# Allegro board P2597_B04_Allegro_layout.brd (continued)
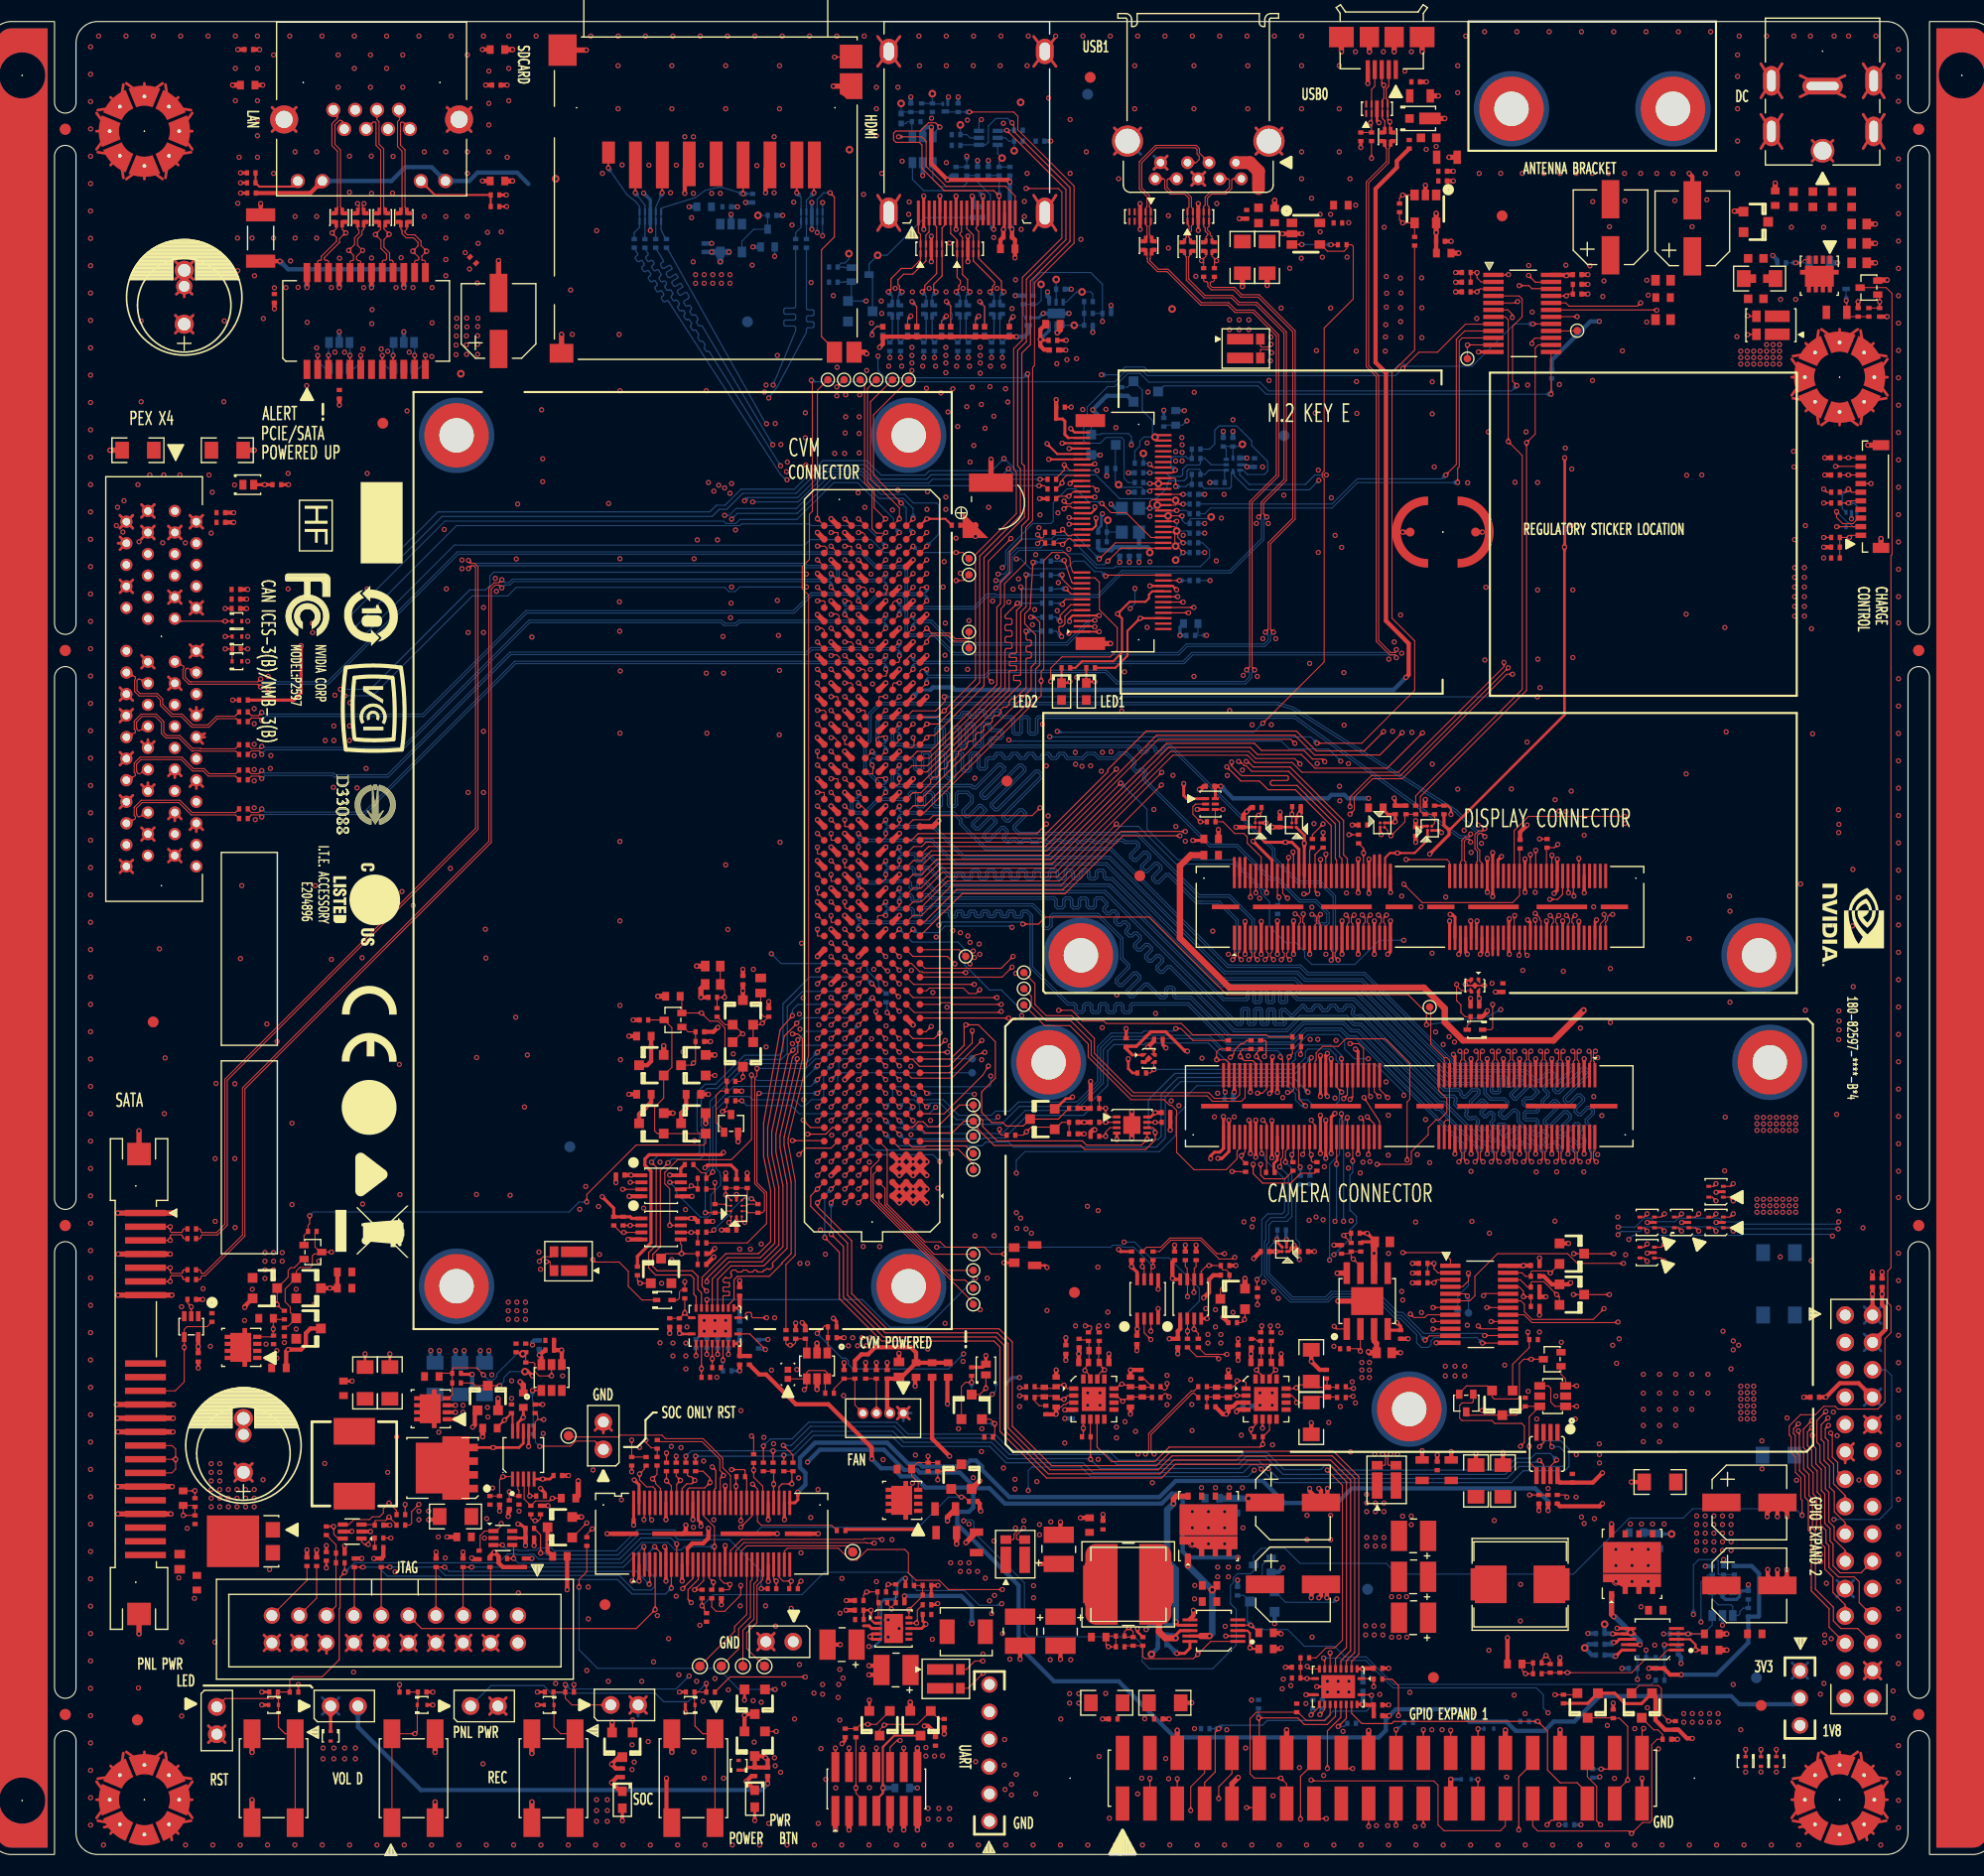
[diagram p0: board, top side]
## Footprints (pads in the part's own frame, mm; a bottom-side part is the same pattern mirrored in y, then rotated) (continued)
CON_MISC_004_TH_ST_M_P013_WTB
  round 1.04 hole 0.64: 1(0,0) 2(-1.25,0) 3(-2.5,0) 4(-3.75,0)
CON_MISC_010_SMD_RA_F_P008_WTB
  rect 0.5x1 smd: 1(-3.6,1.15) 2(-2.8,1.15) 3(-2,1.15) 4(-1.2,1.15) 5(-0.4,1.15) 6(0.4,1.15) 7(1.2,1.15) 8(2,1.15) 9(2.8,1.15) 10(3.6,1.15)
  rect 0.94x1.55 smd: 11(-4.77,-0.725) 12(4.77,-0.725)
CON_MJ08_012_TH_RA_2LED
  round 0.13 hole 3.25 unplated: (-9.906,-2.54) (2.794,-2.54)
  round 1.32 hole 0.89: 1(0,0) 2(-1.016,1.778) 3(-2.032,0) 4(-3.048,1.778) 5(-4.064,0) 6(-5.08,1.778) 7(-6.096,0) 8(-7.112,1.778) 9(3.302,6.604) 10(1.016,6.604) 11(-8.128,6.604) 12(-10.414,6.604)
  round 2.62 hole 1.6: 13(4.572,0.889) 14(-11.684,0.889)
CON_PEX_064_SMT_ST
  round 0.13 hole 2.36 unplated: (11.65,-1.25) (34.8,-1.25)
  round 1.14 hole 0.71: A1(0,0) A2(1,2) A3(2,0) A4(3,2) A5(4,0) A6(5,2) A7(6,0) A8(7,2) A9(8,0) A10(9,2) A11(10,0) A12(13,2) A13(14,0) A14(15,2) A15(16,0) A16(17,2) A17(18,0) A18(19,2) A19(20,0) A20(21,2) A21(22,0) A22(23,2) A23(24,0) A24(25,2) A25(26,0) A26(27,2) A27(28,0) A28(29,2) A29(30,0) A30(31,2) A31(32,0) A32(33,2) B1(0,-2.5) B2(1,-4.5) B3(2,-2.5) B4(3,-4.5) B5(4,-2.5) B6(5,-4.5) B7(6,-2.5) B8(7,-4.5) B9(8,-2.5) B10(9,-4.5) B11(10,-2.5) B12(13,-4.5) B13(14,-2.5) B14(15,-4.5) B15(16,-2.5) B16(17,-4.5) B17(18,-2.5) B18(19,-4.5) B19(20,-2.5) B20(21,-4.5) B21(22,-2.5) B22(23,-4.5) B23(24,-2.5) B24(25,-4.5) B25(26,-2.5) B26(27,-4.5) B27(28,-2.5) B28(29,-4.5) B29(30,-2.5) B30(31,-4.5) B31(32,-2.5) B32(33,-4.5)
CON_QSH_060_SMT_ST_P005
  round 0.13 hole 1.09 unplated: (-10.065,2.67) (10.065,2.67)
  rect 0.28x2.27 smd: 1(-7.25,-2.865) 2(-7.25,2.865) 3(-6.75,-2.865) 4(-6.75,2.865) 5(-6.25,-2.865) 6(-6.25,2.865) 7(-5.75,-2.865) 8(-5.75,2.865) 9(-5.25,-2.865) 10(-5.25,2.865) 11(-4.75,-2.865) 12(-4.75,2.865) 13(-4.25,-2.865) 14(-4.25,2.865) 15(-3.75,-2.865) 16(-3.75,2.865) 17(-3.25,-2.865) 18(-3.25,2.865) 19(-2.75,-2.865) 20(-2.75,2.865) 21(-2.25,-2.865) 22(-2.25,2.865) 23(-1.75,-2.865) 24(-1.75,2.865) 25(-1.25,-2.865) 26(-1.25,2.865) 27(-0.75,-2.865) 28(-0.75,2.865) 29(-0.25,-2.865) 30(-0.25,2.865) 31(0.25,-2.865) 32(0.25,2.865) 33(0.75,-2.865) 34(0.75,2.865) 35(1.25,-2.865) 36(1.25,2.865) 37(1.75,-2.865) 38(1.75,2.865) 39(2.25,-2.865) 40(2.25,2.865) 41(2.75,-2.865) 42(2.75,2.865) 43(3.25,-2.865) 44(3.25,2.865) 45(3.75,-2.865) 46(3.75,2.865) 47(4.25,-2.865) 48(4.25,2.865) 49(4.75,-2.865) 50(4.75,2.865) 51(5.25,-2.865) 52(5.25,2.865) 53(5.75,-2.865) 54(5.75,2.865) 55(6.25,-2.865) 56(6.25,2.865) 57(6.75,-2.865) 58(6.75,2.865) 59(7.25,-2.865) 60(7.25,2.865)
  rect 2.54x0.43 smd: 61(-8.065,0) 64(8.065,0)
  rect 4.7x0.43 smd: 62(-3.175,0) 63(3.175,0)
CON_QSH_120_SMT_ST_P005
  round 0.13 hole 1.09 unplated: (-20.065,2.671) (20.065,2.67)
  rect 0.28x2.27 smd: 1(-17.25,-2.87) 2(-17.25,2.87) 3(-16.75,-2.87) 4(-16.75,2.87) 5(-16.25,-2.87) 6(-16.25,2.87) 7(-15.75,-2.87) 8(-15.75,2.87) 9(-15.25,-2.87) 10(-15.25,2.87) 11(-14.75,-2.87) 12(-14.75,2.87) 13(-14.25,-2.87) 14(-14.25,2.87) 15(-13.75,-2.87) 16(-13.75,2.87) 17(-13.25,-2.87) 18(-13.25,2.87) 19(-12.75,-2.87) 20(-12.75,2.87) 21(-12.25,-2.87) 22(-12.25,2.87) 23(-11.75,-2.87) 24(-11.75,2.87) 25(-11.25,-2.87) 26(-11.25,2.87) 27(-10.75,-2.87) 28(-10.75,2.87) 29(-10.25,-2.87) 30(-10.25,2.87) 31(-9.75,-2.87) 32(-9.75,2.87) 33(-9.25,-2.87) 34(-9.25,2.87) 35(-8.75,-2.87) 36(-8.75,2.87) 37(-8.25,-2.87) 38(-8.25,2.87) 39(-7.75,-2.87) 40(-7.75,2.87) 41(-7.25,-2.87) 42(-7.25,2.87) 43(-6.75,-2.87) 44(-6.75,2.87) 45(-6.25,-2.87) 46(-6.25,2.87) 47(-5.75,-2.87) 48(-5.75,2.87) 49(-5.25,-2.87) 50(-5.25,2.87) 51(-4.75,-2.87) 52(-4.75,2.87) 53(-4.25,-2.87) 54(-4.25,2.87) 55(-3.75,-2.87) 56(-3.75,2.87) 57(-3.25,-2.87) 58(-3.25,2.87) 59(-2.75,-2.87) 60(-2.75,2.87) 61(2.75,-2.87) 62(2.75,2.87) 63(3.25,-2.87) 64(3.25,2.87) 65(3.75,-2.87) 66(3.75,2.87) 67(4.25,-2.87) 68(4.25,2.87) 69(4.75,-2.87) 70(4.75,2.87) 71(5.25,-2.87) 72(5.25,2.87) 73(5.75,-2.87) 74(5.75,2.87) 75(6.25,-2.87) 76(6.25,2.87) 77(6.75,-2.87) 78(6.75,2.87) 79(7.25,-2.87) 80(7.25,2.87) 81(7.75,-2.87) 82(7.75,2.87) 83(8.25,-2.87) 84(8.25,2.87) 85(8.75,-2.87) 86(8.75,2.87) 87(9.25,-2.87) 88(9.25,2.87) 89(9.75,-2.87) 90(9.75,2.87) 91(10.25,-2.87) 92(10.25,2.87) 93(10.75,-2.87) 94(10.75,2.87) 95(11.25,-2.87) 96(11.25,2.87) 97(11.75,-2.87) 98(11.75,2.87) 99(12.25,-2.87) 100(12.25,2.87) 101(12.75,-2.87) 102(12.75,2.87) 103(13.25,-2.87) 104(13.25,2.87) 105(13.75,-2.87) 106(13.75,2.87) 107(14.25,-2.87) 108(14.25,2.87) 109(14.75,-2.87) 110(14.75,2.87) 111(15.25,-2.87) 112(15.25,2.87) 113(15.75,-2.87) 114(15.75,2.87) 115(16.25,-2.87) 116(16.25,2.87) 117(16.75,-2.87) 118(16.75,2.87) 119(17.25,-2.87) 120(17.25,2.87)
  rect 2.54x0.43 smd: 121(-18.065,0) 124(-1.935,0) 125(1.935,0) 128(18.065,0)
  rect 4.7x0.43 smd: 122(-13.175,0) 123(-6.825,0) 126(6.825,0) 127(13.175,0)
CON_SATA_022_SMT_RA_F_P013
  round 0.13 hole 2.1 unplated: (-18.4,-0.3) (18.4,-0.3)
  rect 0.6x3.8 smd: 1(-15.875,0.6) 2(-14.605,0.6) 3(-13.335,0.6) 4(-12.065,0.6) 5(-10.795,0.6) 6(-9.525,0.6) 7(-8.255,0.6) 8(-1.905,0.6) 9(-0.635,0.6) 10(0.635,0.6) 11(1.905,0.6) 12(3.175,0.6) 13(4.445,0.6) 14(5.715,0.6) 15(6.985,0.6) 16(8.255,0.6) 17(9.525,0.6) 18(10.795,0.6) 19(12.065,0.6) 20(13.335,0.6) 21(14.605,0.6) 22(15.875,0.6)
  rect 2.1x2.2 smd: 23(-21.35,0) 24(21.35,0)
CON_SD_012_SMD_RA
  round 0.13 hole 1.4 unplated: (0,24) (0,0)
  rect 4.35x1.2 smd: 1(-5.315,18.535) 2(-5.315,16.035) 5(-5.315,8.535) 6(-5.315,6.035) 7(-5.315,3.535) 8(-5.315,1.91)
  rect 4.15x1.2 smd: 3(-5.215,13.535) 4(-5.215,11.035)
  rect 2.05x1.2 smd: 9(-4.165,21.035)
  rect 1.96x1.42 smd: 10(-22.7,0.05) 11(-22.7,-1.775)
  rect 2.21x2.11 smd: 12(4.75,-1.5)
  custom 2.412x2.108 smd: 13(2,-1.5)
  rect 2.92x2.62 smd: 14(5.35,25.3)
  rect 1.75x2.2 smd: 15(-22.8,25.4)
CON_TSM_002X020_SMD_ST_M_P025
  rect 1.27x3.18 smd: 1(-24.13,-2.35) 2(-24.13,2.35) 3(-21.59,-2.35) 4(-21.59,2.35) 5(-19.05,-2.35) 6(-19.05,2.35) 7(-16.51,-2.35) 8(-16.51,2.35) 9(-13.97,-2.35) 10(-13.97,2.35) 11(-11.43,-2.35) 12(-11.43,2.35) 13(-8.89,-2.35) 14(-8.89,2.35) 15(-6.35,-2.35) 16(-6.35,2.35) 17(-3.81,-2.35) 18(-3.81,2.35) 19(-1.27,-2.35) 20(-1.27,2.35) 21(1.27,-2.35) 22(1.27,2.35) 23(3.81,-2.35) 24(3.81,2.35) 25(6.35,-2.35) 26(6.35,2.35) 27(8.89,-2.35) 28(8.89,2.35) 29(11.43,-2.35) 30(11.43,2.35) 31(13.97,-2.35) 32(13.97,2.35) 33(16.51,-2.35) 34(16.51,2.35) 35(19.05,-2.35) 36(19.05,2.35) 37(21.59,-2.35) 38(21.59,2.35) 39(24.13,-2.35) 40(24.13,2.35)
CON_USB_005_SMD_RA_F_074X056
  rect 0.4x1.75 smd: 1(-1.3,2.715) 2(-0.65,2.715) 3(0,2.715) 4(0.65,2.715) 5(1.3,2.715)
  rect 2.3x1.9 smd: 6(-3.75,-0.31) 9(3.75,-0.31)
  rect 1.8x1.9 smd: 7(-1.15,-0.31) 8(1.15,-0.31)
CON_USB_009_TH_RA_138X165
  round 1.2 hole 0.7: 1(0,0) 2(2.5,0) 3(4.5,0) 4(7,0) 5(7.5,1.5) 6(5.5,1.5) 7(3.5,1.5) 8(1.5,1.5) 9(-0.5,1.5)
  round 2.9 hole 2.3: 10(-3.07,-2) 11(10.07,-2)
DFET_003_SMD_010X006_B
  rect 0.4x0.25 smd: 1(0.35,-0.227) 2(0.35,0.227)
  rect 0.4x0.7 smd: 3(-0.35,0)
DFET_SMD_032X033
  rect 0.4x0.775 smd: 1(-0.975,-1.487) 2(-0.325,-1.487) 3(0.325,-1.487) 4(0.975,-1.487)
  custom 3.6x2.474 smd: 5(0,0.313)
DFET_SMD_056X052_VIAS
  rect 0.5x0.6 smd: 1(-1.905,-2.824)
  custom 5.4x1.874 smd: 2(0,-1.862)
  rect 0.5x0.675 smd: 3(1.905,2.788) 4(0.635,2.788) 5(-0.635,2.788) 6(-1.905,2.788)
  rect 5.4x2.89 smd: 7(0,0.595)
DFN04_P065_010X010_T005X005
  custom 0.35x0.55 smd: 1(-0.325,-0.475) 2(0.325,-0.475) 3(0.325,0.475) 4(-0.325,0.475)
  rect 0.48x0.48 smd rot 45: 5(0,0)
DFN06_P050_015X010_C
  rect 0.28x0.67 smd: 1(-0.5,-0.449) 2(0,-0.449) 3(0.5,-0.449) 4(0.5,0.449) 5(0,0.449) 6(-0.5,0.449)
DFN06_P065_020X020_T016X010_C
  rect 0.3x0.65 smd: 1(-0.65,-1.05) 2(0,-1.05) 3(0.65,-1.05) 4(0.65,1.05) 5(0,1.05) 6(-0.65,1.05)
  rect 1.6x0.9 smd: 7(0,0)
DFN08_P050_030X020_T016X016
  rect 0.28x0.71 smd: 1(-0.75,-1.406) 2(-0.25,-1.406) 3(0.25,-1.406) 4(0.75,-1.406) 5(0.75,1.406) 6(0.25,1.406) 7(-0.25,1.406) 8(-0.75,1.406)
  rect 1.65x1.6 smd: 9(0,0)
DFN10_P050_030X030_T027X018_VIAS
  rect 0.28x0.65 smd: 1(-1,-1.425) 2(-0.5,-1.425) 3(0,-1.425) 4(0.5,-1.425) 5(1,-1.425) 6(1,1.425) 7(0.5,1.425) 8(0,1.425) 9(-0.5,1.425) 10(-1,1.425)
  rect 2.7x1.75 smd: 11(0,0)
DIODE_SMD_010X060
  rect 0.56x0.61 smd: 1(-0.425,0) 2(0.425,0)
DIODE_SMD_025X013
  rect 0.8x0.8 smd: 1(0.975,0)
  rect 2x1.1 smd: 2(-0.925,0)
DIODE_SMD_SOD523_B
  rect 0.69x0.41 smd: 1(-0.717,0) 2(0.717,0)
DIODE_SMD_SOD923
  rect 0.3x0.41 smd: 1(-0.45,0) 2(0.45,0)
DIODE_SMD_TO277A
  rect 1.45x1.34 smd: 1(1.065,-2.73) 2(-1.065,-2.73)
  rect 4.8x4.85 smd: 3(0,0.975)
IND_NONRKO_SMD_012X010
  rect 0.35x0.68 smd: 1(-0.275,-0.589) 2(0.275,-0.589) 3(0.275,0.589) 4(-0.275,0.589)
IND_NONRKO_SMD_012X010_B
  rect 0.5x0.3 smd: 1(0.525,0.275) 2(-0.525,0.275) 3(-0.525,-0.275) 4(0.525,-0.275)
IND_NONRKO_SMD_044X041
  rect 1.4x2.29 smd: 1(-1.778,0) 2(1.778,0)
IND_NONRKO_SMD_065X069
  rect 2.59x3.94 smd: 1(-2.769,0) 2(2.769,0)
IND_NONRKO_SMD_073X066
  rect 2.95x3.5 smd: 1(-2.725,0) 2(2.725,0)
IND_NONRKO_SMD_076X076
  rect 2.49x3.84 smd: 1(-3.01,0) 2(3.01,0)
IND_NONRKO_SMD_078X072
  custom 7.5x3 smd: 1(0,-2.5) 2(0,2.5)
IND_NONRKO_SMD_088X084
  rect 2.4x3 smd: 1(-3.4,0) 2(3.4,0)
IND_SMD_0402
  rect 0.54x0.5 smd: 1(-0.46,0) 2(0.46,0)
IND_SMD_0603
  rect 0.79x0.81 smd: 1(-0.713,0) 2(0.713,0)
LED_SMD_0402_ST
  rect 0.66x0.91 smd: 1(0.5,0) 2(-0.5,0)
LED_SMD_0603_ST
  rect 0.89x0.81 smd: 1(0.787,0) 2(-0.787,0)
LTPT28C49P
  round 0.71 smd: 1(0,0)
LTPT35C49P
  round 0.89 smd: 1(0,0)
MEC_HOLE_PEM_NTH_430P
  round 0.13 hole 4.3 unplated: (0,0)
  custom 3.35x6.601 smd: 1A(-3.042,0) 1B(3.042,0)
MEC_HOLE_PTH_599C_INT422C_B701C320P
  round 5.99 hole 3.2: 1(0,0)
MTH_MB_C300NP156_NEW
  round 0.13 hole 3.95 unplated: (0,0)
  custom 2.956x2.03 hole 0.35: 1(0,3.226) 5(0,-3.226)
  custom 2.956x2.03 hole 0.35 rot 45: 2(-2.281,2.281) 6(2.281,-2.281)
  custom 2.03x2.956 hole 0.35: 3(-3.226,0) 7(3.226,0)
  custom 2.956x2.03 hole 0.35 rot 135: 4(-2.281,-2.281) 8(2.281,2.281)
MULTI_CAP_TH_D080P035_D100P050
  round 1.78 hole 1.19: 1(0,0) 3(0,-5)
  round 1.52 hole 1.02: 2(0,-3.514)
MULTI_SMD_SOT669_LFPAK_B
  rect 0.71x1.14 smd: 1(-1.905,-2.725) 2(-0.635,-2.725) 3(0.635,-2.725) 4(1.905,-2.725)
  custom 5.898x4.987 smd: 5(0,0)
QFN008Q_P050_0016X0016
  rect 0.5x0.5 smd: 1(-0.626,0.626)
  rect 0.5x0.28 smd: 2(-0.626,0) 3(-0.626,-0.5) 5(0.626,-0.5) 6(0.626,0) 7(0.626,0.5)
  rect 0.28x0.5 smd: 4(0,-0.626) 8(0,0.626)
QFN016Q_P065_0047_T022X022
  rect 0.86x0.43 smd: 1(-1.867,0.975) 2(-1.867,0.325) 3(-1.867,-0.325) 4(-1.867,-0.975) 9(1.867,-0.975) 10(1.867,-0.325) 11(1.867,0.325) 12(1.867,0.975)
  rect 0.43x0.86 smd: 5(-0.975,-1.867) 6(-0.325,-1.867) 7(0.325,-1.867) 8(0.975,-1.867) 13(0.975,1.867) 14(0.325,1.867) 15(-0.325,1.867) 16(-0.975,1.867)
  rect 2.24x2.24 smd: TP(0,0)
QFN020R_P050_0045X0035_T031X021_VIAS
  rect 0.7x0.28 smd: 1(-2.15,-0.75) 10(2.15,-0.75) 11(2.15,0.75) 20(-2.15,0.75)
  rect 0.28x0.7 smd: 2(-1.75,-1.65) 3(-1.25,-1.65) 4(-0.75,-1.65) 5(-0.25,-1.65) 6(0.25,-1.65) 7(0.75,-1.65) 8(1.25,-1.65) 9(1.75,-1.65) 12(1.75,1.65) 13(1.25,1.65) 14(0.75,1.65) 15(0.25,1.65) 16(-0.25,1.65) 17(-0.75,1.65) 18(-1.25,1.65) 19(-1.75,1.65)
  rect 3.15x2.15 smd: 21(0,0)
RES_04_SMD_015X032
  rect 1x2.45 smd: 1(-0.875,-0.525) 4(0.875,-0.525)
  rect 1.02x0.81 smd: 2(-0.875,1.35) 3(0.875,1.35)
RES_04_SMD_32X016_B
  rect 1.08x2.32 smd: 1(-0.838,-0.59) 4(0.838,-0.59)
  rect 1.08x0.8 smd: 2(-0.838,1.35) 3(0.838,1.35)
SC70_5
  rect 0.43x0.94 smd: 1(-0.65,-0.97) 2(0,-0.97) 3(0.65,-0.97) 4(0.65,0.97) 5(-0.65,0.97)
SC70_6
  rect 0.4x0.95 smd: 1(-0.65,-0.87) 2(0,-0.87) 3(0.65,-0.87) 4(0.65,0.87) 5(0,0.87) 6(-0.65,0.87)
SO08_048X038_T030X026
  rect 0.61x2.03 smd: 1(-1.905,-2.591) 2(-0.635,-2.591) 3(0.635,-2.591) 4(1.905,-2.591) 5(1.905,2.591) 6(0.635,2.591) 7(-0.635,2.591) 8(-1.905,2.591)
  rect 3x2.59 smd: 9(0,0)
SOT23
  rect 0.91x0.91 smd: 1(-0.952,-1.143) 2(0.952,-1.143) 3(0,1.143)
SOT23_5
  rect 0.79x1 smd: 1(-1.003,-1.295) 3(1.003,-1.295) 4(1.003,1.295) 5(-1.003,1.295)
  rect 0.69x0.99 smd: 2(0,-1.295)
SOT23_6
  rect 0.71x1.02 smd: 1(-0.95,-1.2) 2(0,-1.2) 3(0.95,-1.2) 4(0.95,1.2) 5(0,1.2) 6(-0.95,1.2)
SOT323
  rect 0.61x0.86 smd: 1(0.65,0.826) 2(-0.65,0.826) 3(0,-0.819)
SOT553
  rect 0.28x0.45 smd: 1(-0.5,-0.675) 2(0,-0.675) 3(0.5,-0.675) 4(0.5,0.675) 5(-0.5,0.675)
SW_04_SMD_ST_1XONOFF_072X040
  rect 2.67x1.57 smd: 1(-4.128,2.006) 2(-4.128,-2.006) 3(4.128,-2.006) 4(4.128,2.006)
TSLP10_P050_025X010
  rect 0.2x0.66 smd: 1(-1,-0.437) 2(-0.5,-0.437) 4(0.5,-0.437) 5(1,-0.437) 6(1,0.437) 7(0.5,0.437) 9(-0.5,0.437) 10(-1,0.437)
  rect 0.36x1.55 smd: 3(0,0)
unnamed#2
  custom 1.016x1.016 smd: (0,0)
unnamed#3
  round 0.13 hole 3 unplated: (-11.35,160.1) (-11.35,-0.08) (168.83,160.1)
  round 1.02 smd: (-7.35,155.1) (-7.35,155.1) (-7.35,106.707) (-7.35,106.707) (-7.35,53.313) (-7.35,53.313) (-7.35,7.92) (-7.35,7.92) (164.83,155.1) (164.83,155.1) (164.83,106.707) (164.83,106.707) (164.83,53.313) (164.83,53.313) (164.83,7.92) (164.83,7.92)
  round 0.13 hole 2.75 unplated: (86,2) (144,2)
XFMR_SMD_24_151X071
  rect 0.64x1.78 smd: 1(-5.5,-4.495) 2(-4.5,-4.495) 3(-3.5,-4.495) 4(-2.5,-4.495) 5(-1.5,-4.495) 6(-0.5,-4.495) 7(0.5,-4.495) 8(1.5,-4.495) 9(2.5,-4.495) 10(3.5,-4.495) 11(4.5,-4.495) 12(5.5,-4.495) 13(5.5,4.495) 14(4.5,4.495) 15(3.5,4.495) 16(2.5,4.495) 17(1.5,4.495) 18(0.5,4.495) 19(-0.5,4.495) 20(-1.5,4.495) 21(-2.5,4.495) 22(-3.5,4.495) 23(-4.5,4.495) 24(-5.5,4.495)
XSOP08_P065_030X028
  rect 0.36x1.12 smd: 1(-0.975,-1.825) 2(-0.325,-1.825) 3(0.325,-1.825) 4(0.975,-1.825) 5(0.975,1.825) 6(0.325,1.825) 7(-0.325,1.825) 8(-0.975,1.825)
XSOP08_P065_030X030
  rect 0.41x1.57 smd: 1(-0.975,-2.007) 2(-0.325,-2.007) 3(0.325,-2.007) 4(0.975,-2.007) 5(0.975,2.007) 6(0.325,2.007) 7(-0.325,2.007) 8(-0.975,2.007)
XSOP10_P050_030X030
  rect 0.28x1.4 smd: 1(-1.001,-2.224) 2(-0.5,-2.224) 3(0,-2.224) 4(0.5,-2.224) 5(1.001,-2.224) 6(1.001,2.224) 7(0.5,2.224) 8(0,2.224) 9(-0.5,2.224) 10(-1.001,2.224)
XSOP24_P065_079X045
  rect 0.41x1.9 smd: 1(-3.575,-2.678) 2(-2.925,-2.678) 3(-2.275,-2.678) 4(-1.625,-2.678) 5(-0.975,-2.678) 6(-0.325,-2.678) 7(0.325,-2.678) 8(0.975,-2.678) 9(1.625,-2.678) 10(2.275,-2.678) 11(2.925,-2.678) 12(3.575,-2.678) 13(3.575,2.678) 14(2.925,2.678) 15(2.275,2.678) 16(1.625,2.678) 17(0.975,2.678) 18(0.325,2.678) 19(-0.325,2.678) 20(-0.975,2.678) 21(-1.625,2.678) 22(-2.275,2.678) 23(-2.925,2.678) 24(-3.575,2.678)
XTAL_SMD_4_032X025
  rect 1.22x1.12 smd: 1(-1.1,-0.8) 2(1.1,-0.8) 3(1.1,0.8) 4(-1.1,0.8)

## Nets
1V8_IO_PG: Q15.1(G) R128.2 R322.2 U9.9(PGOOD)
1V8_IO_VREG_EN: C66.1 R125.1 R127.1 R508.2 R511.2 U9.10(EN_FS)
3V3_GPIO_HDR: C92.1 F1.2 J21.1 J21.17(1)
3V3_IO_SLP_R: C65.2 Q19.5(D) R58.1
3V3_SYS_BUCK_EN: C119.1 Q503.3(D) R510.2 R522.1 U16.4(EN)
5V0_GPIO_HDR: C101.1 F2.1 J21.2 J21.4(2)
5V0_HDMI_EN: R544.1 R548.1 R557.1 U29.17(P14)
19V_INPUT: C176.1 LB12.1 LB13.1 LB14.1 Q30.5(D) R264.1 R265.4
AVDD_CAM: C138.1 J22.81 J22.82 J22.83 R217.1 R219.1 U23.6(VOUT)
AVDD_TS_DIS: J23.26 U17.A1(VOUT)
DVDD_CAM_IO_1V2: C93.1 J22.101 U13.1(VOUT)
DVDD_CAM_IO_1V8: C128.1 J22.102 U19.A1(VOUT)
GND: C1.2 C2.2 C4.2 C4.3 C9.2 C10.2 C11.2 C12.2 C13.2 C14.2 C15.2 C24.2 C24.3 C25.2 C26.2 C29.2 C30.2 C31.2 C32.2 C33.2 C34.2 C35.2 C37.2 C38.2 C39.2 C40.2 C41.2 C42.2 C43.2 C44.2 C45.2 C46.2 C47.2 C48.2 C49.2 C50.2 C51.2 C52.2 C53.2 C54.2 C55.2 C56.2 C57.2 C58.2 C59.2 C60.2 C61.2 C63.2 C64.2 C66.2 C68.2 C69.2 C70.2 C71.2 C72.2 C73.2 C74.2 C75.2 C76.2 C77.2 C81.2 C82.2 C85.2 C86.2 C88.2 C90.2 C92.2 C93.2 C96.1 C98.2 C100.2 C101.2 C102.2 C103.2 C104.1 C106.2 C107.2 C108.2 C113.2 C114.2 C115.2 C117.2 C119.2 C120.2 C121.2 C122.2 C124.2 C125.2 C126.2 C127.2 C128.2 C131.2 C134.2 C135.2 C136.2 C137.2 C138.2 C139.2 C140.2 C141.2 C142.2 C143.2 C144.2 C145.2 C146.2 C147.2 C148.2 C149.2 C150.2 C151.2 C152.2 C153.2 C154.2 C155.2 C156.2 C157.2 C158.2 C159.2 C160.2 C162.2 C163.2 C164.2 C165.2 C166.2 C167.2 C168.2 C169.2 C170.2 C171.2 C172.2 C173.2 C174.2 C175.2 C177.2 C178.2 C179.2 C180.2 C181.2 C200.2 C201.2 C202.2 C203.2 C204.2 C205.1 C502.2 C503.2 C505.2 C506.2 C507.2 C508.2 C509.2 C510.2 C511.2 C512.2 C514.2 C515.2 C516.2 C517.2 C520.2 C521.2 C522.2 C527.2 C528.2 C529.2 C532.2 C533.2 C534.2 C535.2 C536.2 C537.2 C538.2 CR6.1(C) D2.2(2A) D3.2(2A) D4.2(2A) D6.2(2A) D8.3(GND1) D9.3(GND1) D10.3(GND1) D11.2 D13.1(A) D14.2(2A) D15.2(2A) D17.2 D19.2(2A) D20.2(2A) D21.2(2A) D22.2(GND) D23.2(GND) D24.2(GND) D25.2(GND) D26.2(GND) D27.2(2A) D28.2(2A) D29.2(2A) D30.2(2A) D31.2(A) D32.2(2A) D33.2(2A) D34.2(GND) D501.3(GND1) D502.3(GND1) D503.2(GND1) D504.3(GND1) D505.3(GND1) D506.2(GND1) D507.2(GND1) J1.1(GND_1) J1.4(GND_2) J1.7(GND_3) J1.11(GND_4) J1.12(GND_5) J1.13(GND_6) J1.17(GND_7) J1.19(GND_8) J1.23(SH_1) J1.24(SH_2) J2.A1(PRSNT1*) J2.A4(GND_02) J2.A12(GND_04) J2.A15(GND_06) J2.A18(GND_09) J2.A20(GND_10) J2.A23(GND_13) J2.A24(GND_14) J2.A27(GND_17) J2.A28(GND_18) J2.A31(GND_20) J2.B4(GND_01) J2.B7(GND_03) J2.B13(GND_05) J2.B16(GND_07) J2.B18(GND_08) J2.B21(GND_11) J2.B22(GND_12) J2.B25(GND_15) J2.B26(GND_16) J2.B29(GND_19) J2.B32(GND_21) J3.2 J6.2 J7.4(GND1) J7.6(GND2) J7.8(GND3) J7.10(GND4) J7.12(GND5) J7.14(GND6) J7.16(GND7) J7.18(GND8) J7.20(GND9) J8.2 J9.2 J10.3 J10.4 J10.13 J10.14 J10.19 J10.24 J10.35 J10.36 J10.51 J10.52 J10.58 J10.61 J10.62 J10.63 J10.64(64_F) J11.2 J12.3(VSS_1) J12.6(VSS_2) J12.11(COMMON) J12.13(GND_EMI1) J12.14(GND_EMI2) J12.15(GND_EMI3) J13.A3(GND_1) J13.A4(GND_2) J13.A28(GND_3) J13.A37(GND_4) J13.A40(GND_5) J13.A43(GND_6) J13.B3(GND_7) J13.B4(GND_8) J13.B14(GND_9) J13.B31(GND_10) J13.B38(GND_11) J13.B41(GND_12) J13.B44(GND_13) J13.B47(GND_14) J13.C3(GND_15) J13.C4(GND_16) J13.C21(GND_17) J13.C24(GND_18) J13.C27(GND_19) J13.C30(GND_20) J13.C33(GND_21) J13.C36(GND_22) J13.C39(GND_23) J13.C42(GND_24) J13.C45(GND_25) J13.D20(GND_26) J13.D23(GND_27) J13.D26(GND_28) J13.D29(GND_29) J13.D32(GND_30) J13.D35(GND_31) J13.D38(GND_32) J13.D41(GND_33) J13.D44(GND_34) J13.E19(GND_35) J13.E22(GND_36) J13.E25(GND_37) J13.E28(GND_38) J13.E31(GND_39) J13.E34(GND_40) J13.E37(GND_41) J13.E40(GND_42) J13.E43(GND_43) J13.E46(GND_44) J13.F10(GND_45) J13.F15(GND_46) J13.F21(GND_47) J13.F24(GND_48) J13.F27(GND_49) J13.F30(GND_50) J13.F33(GND_51) J13.F36(GND_52) J13.F39(GND_53) J13.F42(GND_54) J13.F45(GND_55) J13.F49(GND_56) J13.G3(GND_57) J13.G17(GND_58) J13.G20(GND_59) J13.G23(GND_60) J13.G26(GND_61) J13.G29(GND_62) J13.G32(GND_63) J13.G35(GND_64) J13.G38(GND_65) J13.G41(GND_66) J13.G44(GND_67) J13.G47(GND_68) J13.G50(GND_69) J13.H19(GND_70) J13.H22(GND_71) J13.H25(GND_72) J13.H28(GND_73) J13.H31(GND_74) J13.H34(GND_75) J13.H37(GND_76) J13.H40(GND_77) J13.H43(GND_78) J13.H46(GND_79) J13.H49(GND_80) J14.1 J14.3 J14.9 J14.11 J14.13 J15.1 J16.2(D2_SHIELD) J16.5(D1_SHIELD) J16.8(D0_SHIELD) J16.11(CK_SHIELD) J16.17(DDC_CEC_GND) J16.20(SHIELD1) J16.21(SHIELD2) J16.22(SHIELD3) J16.23(SHIELD4) J17.1 J18.1(GND_11) J18.7(GND_10) J18.18(GND_9) J18.33(GND_8) J18.39(GND_7) J18.45(GND_6) J18.51(GND_5) J18.57(GND_4) J18.63(GND_3) J18.69(GND_2) J18.75(GND_1) J18.76(GND_13) J18.77(GND_12) J19.4(GND1) J19.7(GND2) J19.10(MT1) J19.11(MT2) J20.5(GND) J20.6(SHIELD1) J20.7(SHIELD2) J20.8(SHIELD3) J20.9(SHIELD4) J21.6(2) J21.9(1) J21.14(2) J21.20(2) J21.25(1) J21.30(2) J21.34(2) J21.39(1) J22.5 J22.6 J22.11 J22.12 J22.17 J22.18 J22.23 J22.24 J22.29 J22.30 J22.35 J22.36 J22.41 J22.42 J22.47 J22.48 J22.53 J22.54 J22.69 J22.70 J22.79 J22.80 J22.99 J22.100 J22.115 J22.116 J22.121 J22.122 J22.123 J22.124 J22.125 J22.126 J22.127 J22.128(128_F) J23.5 J23.11 J23.17 J23.23 J23.29 J23.35 J23.41 J23.47 J23.48 J23.52 J23.53 J23.59 J23.60 J23.65 J23.67 J23.70 J23.73 J23.75 J23.76 J23.78 J23.81 J23.83 J23.90 J23.91 J23.96 J23.97 J23.102 J23.103 J23.109 J23.112 J23.115 J23.121 J23.122 J23.123 J23.124 J23.125 J23.126 J23.127 J23.128(128_F) J25.2 J25.3 J25.4 J25.5 J25.6 J26.10 J26.11 J26.21 J26.28 J27.4 J27.11(MNT1) J27.12(MNT2) MEC1.1 MEC1.2 MEC1.3 MEC1.4 MEC1.5 MEC1.6 MEC1.7 MEC1.8 MEC2.1 MEC2.2 MEC2.3 MEC2.4 MEC2.5 MEC2.6 MEC2.7 MEC2.8 MEC3.1(GND) MEC4.1(GND) MEC5.1(GND) MEC6.1(GND) MEC7.1(GND) MEC8.1(GND) MEC9.1(GND) MEC10.1A MEC10.1B MEC11.1(GND) MEC12.1(GND) MEC13.1 MEC13.2 MEC13.3 MEC13.4 MEC13.5 MEC13.6 MEC13.7 MEC13.8 MEC14.1 MEC14.2 MEC14.3 MEC14.4 MEC14.5 MEC14.6 MEC14.7 MEC14.8 MEC15.1(GND) MEC16.1(GND) Q2.2(S) Q5.2(S) Q6.2(S) Q7.2(S) Q8.2(S) Q9.2(S) Q10.2(S) Q11.2(S) Q12.2(S) Q13.2(S) Q15.2(S) Q17.2(S) Q17.5(S) Q18.2(E) Q21.2(S) Q22.2(S) Q23.3(S1) Q23.4(S2) Q23.5(S3) Q24.2(S) Q29.3(S1) Q29.4(S2) Q29.5(S3) Q31.2(S) Q32.2(E) Q34.2(S) Q35.2(S) Q38.2(S) Q38.5(S) Q40.2(S) Q501.2(S) Q501.5(S) Q502.2(S) Q503.2(S) Q505.2(S) Q507.2(E) Q509.2(S) R3.2 R8.1 R12.1 R15.2 R16.2 R22.2 R26.2 R27.2 R29.2 R40.1 R41.2 R45.1 R46.1 R47.1 R49.2 R54.2 R55.2 R56.2 R63.2 R72.1 R78.2 R84.2 R88.2 R91.1 R94.2 R98.2 R99.2 R105.2 R113.2 R114.2 R116.2 R119.2 R127.2 R136.2 R147.2 R150.1 R155.2 R164.2 R166.2 R172.2 R174.2 R177.2 R187.2 R191.2 R196.2 R200.2 R203.1 R205.2 R212.2 R215.2 R228.2 R232.2 R235.2 R237.2 R239.2 R244.2 R249.2 R252.2 R256.2 R260.2 R272.2 R274.2 R303.2 R307.2 R312.2 R313.2 R321.2 R323.2 R326.2 R327.2 R328.2 R329.2 R330.2 R331.2 R332.2 R333.2 R334.2 R335.2 R336.2 R337.2 R339.2 R340.2 R341.2 R344.2 R345.2 R346.2 R501.1 R502.2 R505.2 R514.2 R520.2 R521.2 R523.2 R535.2 R540.2 R544.2 R550.2 R578.2 R3238.2 RS1.2 S1.2 S1.3 S2.2 S2.3 S3.2 S3.3 S4.2 S4.3 U1.3(GND) U2.2(GND) U3.2(GND) U4.7(PGND) U5.4(GND) U5.5(DIR) U6.4(GND) U7.11(GND) U7.21(EP) U8.D2(GND) U9.4(GND_01) U9.5(GND_02) U9.11(PAD) U10.TP(PAD) U11.4(GND) U11.9(TP) U12.4(GND) U12.5(DIR) U13.2(GND) U13.5(THERMAL) U14.4(GND) U15.3(GND) U16.6(PGND) U17.B1(GND) U18.TP(PAD) U19.B1(GND) U20.B1(GND) U21.2(GND) U22.11(GND) U22.21(EP) U23.8(GND) U23.9(PAD) U24.B1(GND) U25.2(GND) U26.B1(GND) U27.2(GND) U27.5(THERMAL) U28.12(GND) U29.12(GND) U30.4(GND) U31.6(PGND) U32.2(GND) U501.1(GND) U502.5(GND) U502.7(GNDPAD) U503.2(GND) Y501.2(GND)
VDD_1V2: C157.1 J23.77 J23.79 U27.1(VOUT)
VDD_1V8: C10.1 C30.1 C43.1 C44.1 C51.1 C55.1 C68.1 C96.2 C100.1 C102.1 C104.2 C117.1 C124.1 C136.1 C155.1 C159.1 C506.1 F4.1 J7.1(VCC1) J7.2(VCC2) J10.2 J10.21 J10.26 J14.14 J23.69 J23.71 J24.3 Q25.1(G) Q26.1(G) Q27.1(G) Q28.1(G) Q39.1(G) Q504.1(G) R19.1 R36.1 R39.1 R43.1 R48.1 R52.2 R70.1 R74.2 R75.1 R115.1 R121.1 R128.1 R133.4 R148.1 R149.1 R156.1 R157.1 R158.1 R188.2 R190.1 R204.1 R233.1 R234.1 R238.1 R242.1 R246.1 R247.1 R248.1 R257.1 R263.1 R266.1 R271.1 R302.1 R314.1 R320.1 R517.1 R541.2 R546.1 R570.1 R592.1 U1.5(VCC) U2.5(VCC) U3.5(VCC) U5.8(VCCB) U6.8(VCCB) U7.2(VCCA) U11.8(VCC) U12.8(VCCB) U13.4(VDD) U14.1(VCCA) U15.1(VCC1) U19.A2(VIN) U20.A2(VIN) U22.2(VCCA) U27.4(VDD) U28.24(VCC) U501.2(VREF1)
VDD_1V8_DISCHARGE: Q12.3(D) R75.2
VDD_1V8_IO: C63.1 L6.2 R124.1 R133.1
VDD_1V8_IO_FILTER_N: C89.2 C91.2 R160.1 U10.14(VIN2N)
VDD_1V8_IO_FILTER_P: C87.1 C89.1 R151.1 R153.1 U10.15(VIN2P)
VDD_1V8_IO_N: R133.3 R160.2
VDD_1V8_IO_P: R133.2 R153.2
VDD_1V8_SENSE: C204.1 R302.2 R303.1 U32.5(SENSE)
VDD_3V3_DISCHARGE: Q9.3(D) R65.2
VDD_3V3_IO_SLP_FILTER_N: C95.2 C99.2 R171.1 U10.11(VIN1N)
VDD_3V3_IO_SLP_FILTER_P: C94.2 C99.1 R163.1 R170.1 U10.12(VIN1P)
VDD_3V3_IO_SLP_N: R58.3 R171.2
VDD_3V3_IO_SLP_P: R58.2 R170.2
VDD_3V3_SLP: C14.1 C15.1 C26.1 C40.1 C114.1 C139.1 C517.1 D506.5(PWR1) D507.5(PWR1) J2.A9(3V3_02) J2.A10(3V3_03) J2.B8(3V3_01) J5.10 J5.12 J22.84 J22.108 J22.110 J23.16 Q2.1(G) Q5.1(G) Q508.1(G) R57.1 R58.4 R315.1 R549.1 R558.1 R559.1 R560.1 R572.1 R573.1 R587.2 R588.1 U17.A2(VIN) U23.3(VIN)
VDD_3V3_SLP_DISCHARGE: Q6.3(D) R57.2
VDD_3V3_SYS: C48.1 C54.1 C69.1 C70.1 C71.1 C98.1 C103.1 C140.1 C160.1 C162.1 C505.1 C516.1 C535.1 CR1.2(A) CR2.2(A) D14.1(1C) F1.1 F3.1 J2.B10(3V3AUX) J4.1 J23.61 J23.63 J24.1 Q19.1(S1) Q19.2(S2) Q19.3(S3) R7.1 R65.1 R83.2 R96.1 R129.1 R138.1 R144.1 R193.1 R221.1 R240.1 R241.1 R255.1 R259.1 R261.1 R262.1 R267.1 R305.2 R324.1 R325.1 R513.1 R516.1 R524.1 R525.1 R534.1 R538.1 R542.2 R543.1 R591.2 U5.1(VCCA) U6.1(VCCA) U8.A2(VCC) U10.4(VS) U12.1(VCCA) U14.8(VCCB) U18.4(VS) U24.A2(VIN) U29.24(VCC) U30.8(VCC) U503.5(IN)
VDD_3V3_SYS_FILTER_N: C110.2 C111.1 R179.1 U18.1(VIN3N)
VDD_3V3_SYS_FILTER_P: C110.1 C112.2 R180.1 R185.1 U18.2(VIN3P)
VDD_3V3_SYS_M2: C509.1 C510.1 C511.1 C512.1 CR3.2(A) CR4.2(A) J18.2(3P3V_4) J18.4(3P3V_3) J18.72(3P3V_2) J18.74(3P3V_1) R193.4
VDD_3V3_SYS_N: R138.2 R179.2
VDD_3V3_SYS_P: R138.3 R180.2
VDD_3V3_SYS_PG: Q16.1(G) R511.1 R513.2 U16.2(PG)
VDD_3V3_SYS_PG_AND: Q15.3(D) Q16.2(S)
VDD_3V3_SYS_PG_Q: D15.1(1C) Q16.3(D) R101.2 R104.2
VDD_3V3_SYS_PG_Q_PNL: J4.2 R104.1
VDD_3V3_SYS_PG_QQ: CR2.1(C) R101.1
VDD_3V3_SYS_PWR_R: C76.1 C85.1 C86.1 C88.1 C90.1 L7.2 L8.2 L9.2 R138.4 R159.1
VDD_5V0_DISCHARGE: Q8.3(D) R64.2
VDD_5V0_HDMI: C81.1 C82.1 LB9.2 U502.6(VIN)
VDD_5V0_HDMI_CON: C73.1 C74.1 D503.5(PWR1) J16.18(5V) R561.1 R574.1 U502.1(VOUT)
VDD_5V0_IO_SLP: C28.2 J1.14(5V_1) J1.15(5V_2) J1.16(5V_3) Q1.5(D) R130.1 R308.1
VDD_5V0_IO_SLP_DISCHARGE: Q34.3(D) R308.2
VDD_5V0_IO_SYS: C57.1 C127.1 C131.1 C141.1 C150.1 C152.1 C202.1 C536.1 C537.1 C538.1 F2.2 F5.1 J22.109 J22.118 J22.120 J23.80 LB9.1 Q1.1(S1) Q1.2(S2) Q1.3(S3) Q3.1(S1) Q3.2(S2) Q3.3(S3) Q20.2(S) R11.1 R37.1 R64.1 R112.1 R120.1 R125.2 R132.1 R134.1 R183.1 R225.1 R301.1 R503.1 R504.1 R509.1 U9.3(VIN) U21.5(IN) U23.4(VCNTL) U25.5(IN) U32.6(VCC)